# KiCad board v10.kicad_pcb (continued)
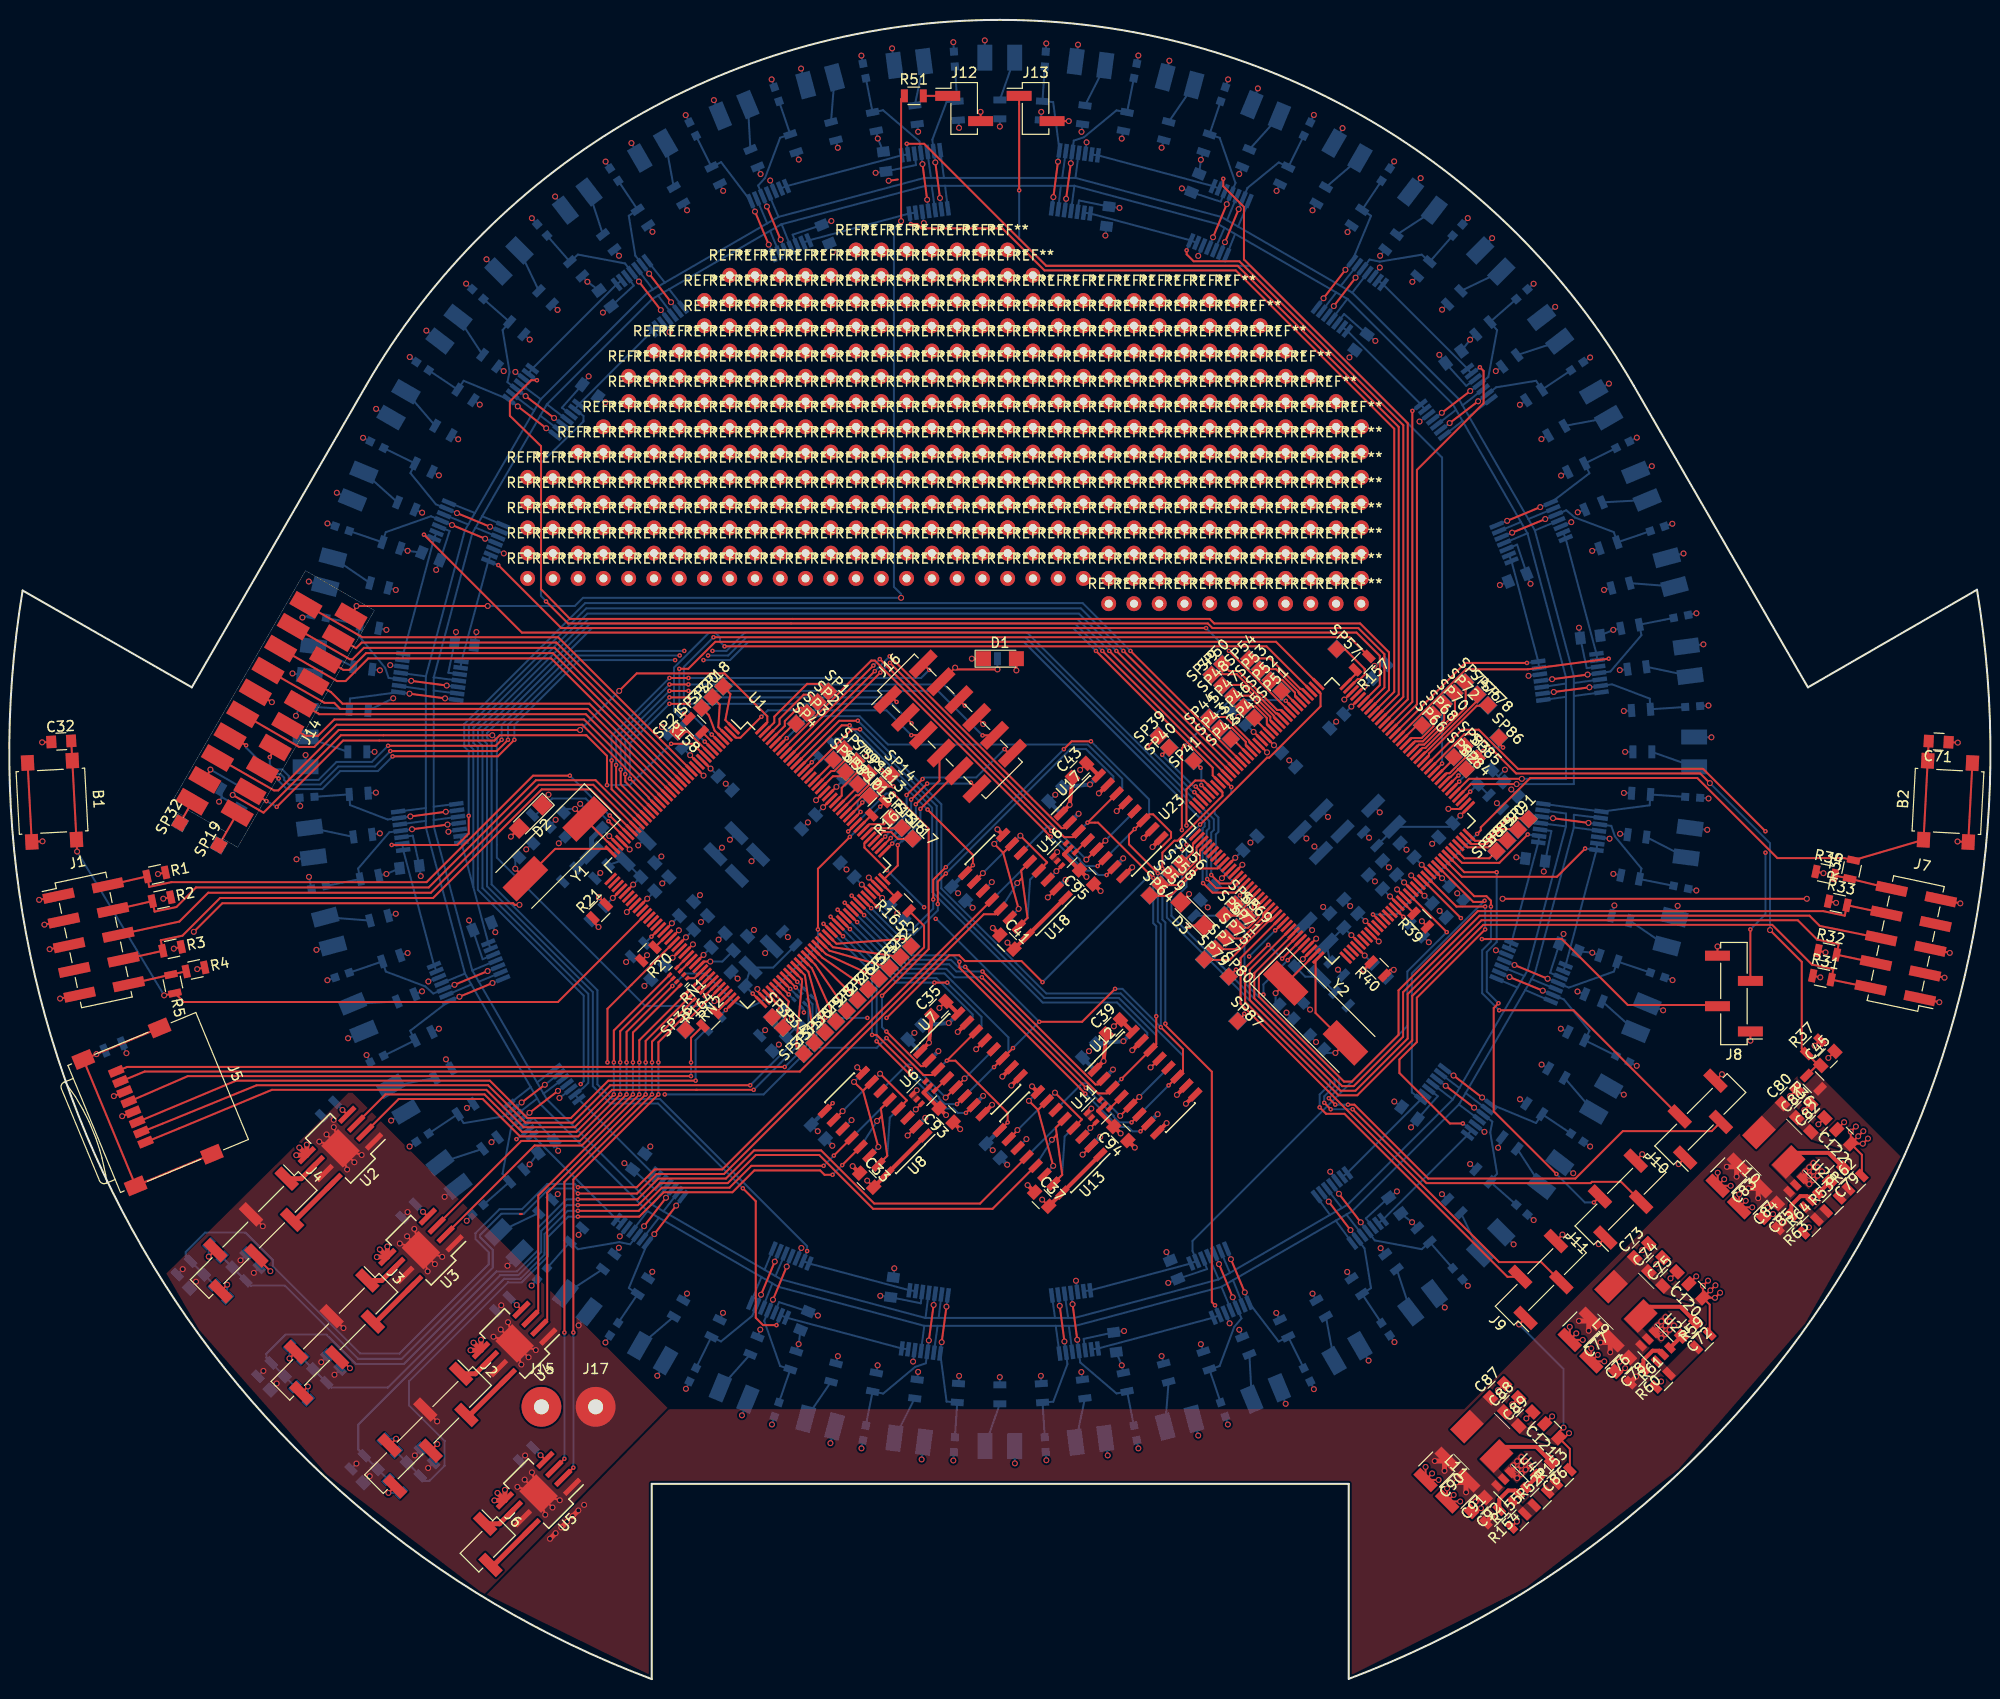
[diagram p0: board, top side]
## Routing (per net, layer and track width the routed paths; a pad name or vN(x,y) marks a point on that pad's centre or on a via; arc(x,y) is an arc through that point) (continued)
  Bottom w0.2: v2(60.36,86.83) v2(56.35,90.84)
/Motor Controller/LED1: length 11.6
  Top w0.2: U1.32 v2(60.23,86.26)
  Bottom w0.2: v2(60.23,86.26) 57.95,88.54 54.56,88.54 52.91,86.88 R30.2 52.6,86.88
/Motor Controller/PWM0H: length 1.6
  Top w0.2: RN1.3 U1.60
/Motor Controller/PWM0L: length 1.6
  Top w0.2: RN1.4 U1.59
/Motor Controller/PWM1H: length 1.8
  Top w0.2: RN1.1 68.86,70.47 U1.63
/Motor Controller/PWM1L: length 1.7
  Top w0.2: U1.116 R167.2
/Motor Controller/PWM2H: length 1.6
  Top w0.2: RN2.3 U1.65
/Motor Controller/PWM2L: length 1.6
  Top w0.2: RN2.4 U1.64
/Motor Controller/PWM3H: length 1.6
  Top w0.2: RN2.1 U1.67
/Motor Controller/PWM3L: length 1.6
  Top w0.2: RN2.2 U1.66
/Motor Controller/RESET: length 80.5
  Top w0.2: C32.2 B1.1 B1.1 v1(6.81,83.21) ; v1(15.56,68.75) R5.2 17.54,68.08 55.15,68.08 63.99,76.91 U1.47
  Bottom w0.2: v1(6.81,83.21) v1(15.56,68.75)
/RPi1: length 38.3
  Top w0.2: v2(61.92,90.99) 61.92,90.23 64.7,87.45 U1.24 ; v2(89.2,98.25) 88.95,98.5 J16.1 ; v2(68.27,98.71) v2(66.36,98.71)
  Bottom w0.2: v2(66.36,98.71) 61.92,94.27 v2(61.92,90.99) ; v2(68.27,98.71) 88.74,98.71 v2(89.2,98.25)
/RPi2: length 45.3
  Top w0.2: v2(60.54,92.37) 60.54,89.48 63.63,86.39 U1.27 63.64,86.39 ; v2(92.47,101.47) 91.87,102.07 J16.2 ; v2(68.27,100.66) v2(66.36,100.66)
  Bottom w0.2: v2(66.36,100.66) 60.54,94.84 v2(60.54,92.37) ; v2(68.27,100.66) 91.66,100.66 v2(92.47,101.47)
/RPi3: length 22.1
  Top w0.2: v2(75.6,96.76) 73.49,94.65 73.06,94.65 72.48,95.23 U1.2 ; v2(90.68,94.91) 90.68,94.91 J16.5 92.14,94.91
  Bottom w0.2: v2(75.6,96.76) 76.25,97.41 88.18,97.41 v2(90.68,94.91)
/RPi4: length 48.2
  Top w0.2: v2(61,91.91) 61,89.73 63.99,86.74 U1.26 ; v2(96.06,97.88) 95.46,98.48 J16.6 ; v2(68.27,100.01) v2(66.36,100.01)
  Bottom w0.2: v2(66.36,100.01) 61,94.65 v2(61,91.91) ; v2(68.27,100.01) 93.93,100.01 v2(96.06,97.88)
/RPi5: length 50
  Top w0.2: v2(61.46,91.45) 61.46,89.98 64.34,87.1 U1.25 ; v2(97.84,94.89) 97.84,94.89 J16.10 ; v2(68.27,99.36) v2(66.36,99.36)
  Bottom w0.2: v2(66.36,99.36) 61.46,94.46 v2(61.46,91.45) ; v2(68.27,99.36) 93.36,99.36 97.83,94.89 v2(97.84,94.89)
/RPi6: length 39
  Top w0.2: v2(62.38,90.54) 64.28,88.64 64.28,88.57 65.05,87.8 U1.23 ; v2(90.7,96.1) 90.09,96.71 J16.3 ; v2(68.27,98.06) v2(66.36,98.06)
  Bottom w0.2: v2(66.36,98.06) 62.38,94.08 v2(62.38,90.54) ; v2(68.27,98.06) 88.74,98.06 v2(90.7,96.1)
/S_LED1: length 121.3
  Top w0.2: J14.13 v2(26.18,92.7) ; v2(49.49,94.44) 48.89,93.84 v2(38.07,93.84) ; v2(120.83,80.85) 121.68,80 122.79,80 123.46,80.67 U23.13
  In1.Cu w0.2: v2(67.85,103.38) v2(70.69,103.38)
  Bottom w0.2: v2(120.83,80.85) 120.83,85.12 121.09,85.38 121.09,86.46 102.33,105.22 73.93,105.22 72.09,103.38 v2(70.69,103.38) ; v2(38.07,93.84) 36.45,92.22 32.89,92.22 31.08,90.41 28.26,90.41 28.09,90.58 28.09,90.81 27.43,91.47 26.63,91.47 26.18,91.92 v2(26.18,92.7) ; v2(67.85,103.38) 56.93,103.38 49.49,95.94 v2(49.49,94.44)
/S_LED2: length 125.3
  Top w0.2: v2(120.42,80.44) 121.32,79.54 123.04,79.54 123.82,80.31 U23.14 ; J14.14 v2(23.8,93.89) ; v2(50.13,94.44) 49,93.31 v2(38.3,93.31)
  In1.Cu w0.2: v2(67.39,102.92) v2(70.24,102.92)
  Bottom w0.2: v2(38.3,93.31) 36.75,91.76 33.07,91.76 31.26,89.95 28.08,89.95 27.63,90.4 27.63,90.63 27.25,91.01 26.45,91.01 23.8,93.66 v2(23.8,93.89) ; v2(120.42,80.44) 120.37,80.49 120.37,85.3 120.63,85.56 120.63,86.28 102.15,104.76 74.11,104.76 72.27,102.92 v2(70.24,102.92) ; v2(67.39,102.92) 57.11,102.92 50.13,95.94 v2(50.13,94.44)
/S_LED3: length 121.2
  Top w0.2: v2(120.01,80.03) 120.96,79.08 123.28,79.08 124.17,79.96 U23.15 ; J14.15 v2(27.07,90.55) ; v2(50.77,94.44) 49.11,92.78 v2(38.53,92.78)
  In1.Cu w0.2: v2(66.93,102.46) v2(69.78,102.46)
  Bottom w0.2: v2(38.53,92.78) 37.05,91.3 33.26,91.3 31.45,89.49 27.9,89.49 27.07,90.32 v2(27.07,90.55) ; v2(50.77,94.44) 50.77,95.94 57.29,102.46 v2(66.93,102.46) ; v2(69.78,102.46) 72.45,102.46 74.29,104.3 101.97,104.3 120.17,86.1 120.17,85.74 119.96,85.53 119.96,80.08 v2(120.01,80.03)
/Sensor Controller/1BLACK: length 105.6
  Top w0.2: U23.99 137.54,96.86 139.68,99.01 139.68,125.9 123.48,142.1 104.24,142.1 91.97,154.37 v2(90.22,154.37)
  Bottom w0.2: U25.13 U25.14 U24.1 U24.2 v2(90.22,154.37)
/Sensor Controller/1WHITE: length 99.3
  Top w0.2: U23.100 139.23,99.27 139.23,125.71 123.3,141.64 104.06,141.64 99.83,145.87 91.71,145.87 91.29,146.29 v2(90.63,146.29)
  Bottom w0.2: U24.13 U24.14 ; U24.14 U25.1 U25.2 ; U24.14 v2(90.63,146.29)
/Sensor Controller/2BLACK: length 132.5
  Top w0.2: v2(53.04,130.6) 52.46,130.6 50.32,128.46 50.32,127.02 53.45,123.97 53.45,109.59 56.36,106.6 120.67,106.6 121.13,106.14 135.8,106.14 138.7,103.24 138.7,99.45 136.83,97.57 U23.101
  Bottom w0.2: U21.2 U21.1 U22.14 U22.13 v2(53.04,130.6)
/Sensor Controller/2WHITE: length 125.8
  Top w0.2: v2(53.95,108.36) 56.17,106.14 120.49,106.14 120.95,105.68 135.62,105.68 138.24,103.06 138.24,99.7 136.47,97.93 U23.102
  Bottom w0.2: U21.13 U21.14 U22.1 U22.2 57.72,127.01 57.72,126.46 53.44,122.26 53.44,108.93 v2(53.95,108.36)
/Sensor Controller/3BLACK: length 120.8
  Top w0.2: v2(41.68,115.07) 51.53,105.22 135.44,105.22 137.78,102.88 137.78,99.94 136.12,98.28 U23.103
  Bottom w0.2: U26.2 U26.1 ; U26.1 U29.14 U29.13 ; U26.1 v2(41.68,115.07)
/Sensor Controller/3WHITE: length 98.6
  Top w0.2: v2(122.61,103.38) 128.77,97.22 U23.117 ; v2(49.15,112.01) 55.48,105.68 v2(120.31,105.68)
  Bottom w0.2: U26.13 U26.14 ; U26.14 U29.1 U29.2 ; U26.14 v2(49.15,112.01) ; v2(122.61,103.38) v2(120.31,105.68)
/Sensor Controller/4BLACK: length 123.5
  Top w0.2: v2(112.71,103.38) 123.82,92.27 U23.131 ; v2(46.18,86.8) 46.18,85.01 45.04,83.87 v2(38.44,83.87)
  Bottom w0.2: U31.13 U31.14 U30.1 U30.2 v2(38.44,83.87) ; v2(46.18,86.8) 46.18,93.31 45.73,93.76 45.73,96.03 57.89,108.19 107.9,108.19 v2(112.71,103.38)
/Sensor Controller/4WHITE: length 116.8
  Top w0.2: v2(112,103.38) 123.46,91.92 U23.132
  Bottom w0.2: U30.13 U30.14 46.64,79.65 ; U31.2 U31.1 46.64,79.65 ; 46.64,79.65 46.64,93.49 46.19,93.94 46.19,95.85 58,107.66 107.72,107.66 v2(112,103.38)
/Sensor Controller/5BLACK: length 151.6
  Top w0.2: v2(111.29,103.38) U23.133
  In2.Cu w0.2: v2(50.98,54.29) 56.12,58.24 v2(57.44,59.83)
  Bottom w0.2: U33.13 U33.14 U32.1 U32.2 v2(50.98,54.29) ; v2(111.29,103.38) 107.54,107.13 58.11,107.13 46.65,95.67 46.65,94.13 47.1,93.68 47.1,79.36 57.74,68.72 57.74,60.13 v2(57.44,59.83)
/Sensor Controller/5WHITE: length 140.3
  Top w0.2: v2(110.58,103.38) 122.75,91.21 U23.134
  Bottom w0.2: U33.2 U33.1 U32.14 U32.13 57.71,59.46 58.2,59.95 58.2,68.9 47.56,79.54 47.56,93.86 47.11,94.31 47.11,95.49 58.22,106.6 107.36,106.6 v2(110.58,103.38)
/Sensor Controller/6BLACK: length 175.6
  Top w0.2: v2(109.88,103.38) 122.4,90.86 U23.135 ; v2(73.74,49.35) 75.04,48.05 75.04,36.33 75.78,35.59 v2(77.12,35.59)
  Bottom w0.2: U35.13 U35.14 U34.1 U34.2 v2(77.12,35.59) ; v2(73.74,49.35) 65.22,57.87 60.41,57.87 58.66,59.62 58.66,69.08 48.02,79.72 48.02,94.04 47.57,94.49 47.57,95.31 58.4,106.14 107.12,106.14 v2(109.88,103.38)
/Sensor Controller/6WHITE: length 166
  Top w0.2: v2(109.24,103.38) 120.98,91.64 120.98,90.86 121.69,90.15 U23.137
  Bottom w0.2: U35.2 U35.1 U34.14 U34.13 v2(80.2,43.04) 80.2,43.53 65.4,58.33 60.59,58.33 59.12,59.8 59.12,69.26 48.48,79.9 48.48,94.22 48.02,94.68 48.02,95.12 58.58,105.68 106.94,105.68 v2(109.24,103.38)
/Sensor Controller/7BLACK: length 71.6
  Top w0.2: 116.22,65.74 120.89,61.07 120.89,37.91 v2(121.21,37.59) ; U23.138 121.96,89.17 121.96,88.81 117.45,84.3 117.12,84.3 115.92,83.1 v2(115.92,81.49)
  Bottom w0.2: U36.2 U36.1 U37.14 U37.13 v2(121.21,37.59) ; v2(115.92,81.49) 115.92,76.38 116.22,76.08 v2(116.22,65.9)
/Sensor Controller/7WHITE: length 60.9
  Top w0.2: v2(144.51,75.11) 140.72,78.9 U23.55
  Bottom w0.2: U36.13 U36.14 U37.1 U37.2 118.95,43.04 118.95,44.06 140.55,65.66 140.55,71.15 v2(144.51,75.11)
/Sensor Controller/8BLACK: length 50.3
  Top w0.2: v2(148.37,75.38) 141.5,68.51 141.5,64.05 139.75,62.3 139.75,60.94 144.82,55.87 v2(146.13,55.87) ; v2(148.37,77.68) 145.48,77.68 142.49,80.67 U23.60
  Bottom w0.2: U38.2 U38.1 U39.14 U39.13 v2(146.13,55.87) ; v2(148.37,77.68) v2(148.37,75.38)
/Sensor Controller/8WHITE: length 41.5
  Top w0.2: v2(148.31,78.26) 148.19,78.14 147.18,78.14 143.59,81.73 U23.63
  Bottom w0.2: U38.13 U38.14 U39.1 ; U39.1 U39.2 ; U39.1 141,58.99 141,70.95 v2(148.31,78.26)
/Sensor Controller/9BLACK: length 30.5
  Top w0.2: U23.65 146.02,80.67 155.58,80.67 v2(158.42,83.51)
  Bottom w0.2: U40.2 U40.1 U41.14 ; U41.14 U41.13 ; U41.14 v2(158.42,83.51)
/Sensor Controller/9WHITE: length 22.2
  Top w0.2: v2(152.65,84.93) 149.79,82.07 146.04,82.07 144.96,83.15 U23.67
  Bottom w0.2: U40.13 U40.14 U41.1 U41.2 v2(152.65,84.93)
/Sensor Controller/10BLACK: length 38.5
  Top w0.2: v2(160.79,102.6) 152.65,101.53 146.44,101.53 U23.93
  Bottom w0.2: U43.13 U43.14 U42.1 U42.2 v2(160.79,102.6)
/Sensor Controller/10WHITE: length 29.1
  Top w0.2: U23.94 146.37,102.17 v2(152.57,102.17)
  Bottom w0.2: U42.13 U42.14 ; U42.14 U43.1 U43.2 ; U42.14 v2(152.57,102.17)
/Sensor Controller/11BLACK: length 54.8
  Top w0.2: U23.95 141.51,98.01 141.51,121.58 148.21,128.28 148.21,131.53 v2(147.84,131.9)
  Bottom w0.2: U45.13 U45.14 U44.1 U44.2 v2(147.84,131.9)
/Sensor Controller/11WHITE: length 45.6
  Top w0.2: U23.96 141.05,98.26 v2(141.05,127.51)
  Bottom w0.2: U44.14 U44.13 ; U44.14 U45.1 U45.2 ; U44.14 v2(141.05,127.51)
/Sensor Controller/12BLACK: length 77.7
  Top w0.2: v2(122.04,150.85) 122.04,150.1 124.12,148.02 124.12,142.74 140.59,126.27 140.59,98.51 138.24,96.16 U23.97
  Bottom w0.2: U47.13 U47.14 U46.1 U46.2 v2(122.04,150.85)
/Sensor Controller/12WHITE: length 72.6
  Top w0.2: U23.98 137.89,96.51 140.14,98.76 140.14,126.08 123.66,142.56 119.06,142.56 118.36,143.26 v2(118.36,143.66)
  Bottom w0.2: U46.13 U46.14 ; U46.14 U47.1 U47.2 ; U46.14 v2(118.36,143.66)
/Sensor Controller/Echo1: length 55.4
  Top w0.2: v2(176.55,85.25) 170.28,91.52 151.67,91.52 147.73,95.46 146.03,95.46 U23.85 142.49,91.91 ; v2(175.03,75.38) 175.04,75.37 J8.3
  In2.Cu w0.2: v2(176.55,85.25) v2(176.55,83.1)
  Bottom w0.2: v2(176.55,83.1) 176.55,76.9 v2(175.03,75.38)
/Sensor Controller/Echo2: length 84.1
  Top w0.2: U23.136 v2(122.85,89.7) ; J10.3 171.14,55.1 162.21,55.1 157.44,50.33 142.65,50.33 135.22,57.76 v2(134.58,57.76) ; v2(133.3,57.76) v2(132.65,58.41)
  Bottom w0.2: v2(132.65,58.41) 133.69,59.44 133.69,60.51 124.18,70.02 124.18,79.01 121.29,81.9 121.29,84.93 121.55,85.19 121.55,86.64 121.18,87.01 121.18,87.39 122.85,89.06 v2(122.85,89.7) ; v2(134.58,57.76) v2(133.3,57.76)
/Sensor Controller/Echo3: length 78.9
  Top w0.2: J11.3 162.04,50 159.1,50 158.97,49.87 142.47,49.87 v2(135.04,57.3) ; v2(118.34,85.83) 118.34,89.47 119.22,90.35 120.08,90.35 120.99,89.44 U23.139 ; v2(132.84,57.3) v2(132.19,57.95)
  In2.Cu w0.2: v2(118.34,83.9) v2(118.34,85.83)
  Bottom w0.2: v2(132.19,57.95) 132.19,58.59 133.23,59.63 133.23,60.35 116.83,76.75 116.83,78.16 118.34,79.67 v2(118.34,83.9) ; v2(135.04,57.3) v2(132.84,57.3)
/Sensor Controller/Echo4: length 54
  Top w0.2: J9.3 154.01,41.93 149.77,41.93 123.78,67.92 123.78,72.51 127.7,76.43 U23.25
/Sensor Controller/JTAG_Test_Clock: length 87.5
  Top w0.2: J7.4 R32.2 183.91,73.9 181.74,74.36 179.8,76.3 148,76.3 140.58,68.88 140.58,64.41 135.33,59.16 133.82,59.16 124.7,68.28 124.7,71.31 128.76,75.37 U23.28
/Sensor Controller/JTAG_Test_Data_In: length 85
  Top w0.2: J7.8 R33.2 184.52,76.76 182.35,77.22 147.63,77.22 139.66,69.25 139.66,64.77 134.97,60.08 134.18,60.08 125.62,68.64 125.62,70.81 U23.30
/Sensor Controller/JTAG_Test_Data_Out: length 85.2
  Top w0.2: J7.6 182.01,75.73 180.98,76.76 147.81,76.76 140.12,69.07 140.12,64.59 135.15,59.62 134,59.62 125.16,68.46 125.16,70.99 129.12,74.95 U23.29
/Sensor Controller/JTAG_Test_Mode_Select: length 90.9
  Top w0.2: J7.2 R31.2 183.38,71.39 181.22,71.85 177.23,75.84 148.19,75.84 141.04,68.69 141.04,64.23 135.51,58.7 133.64,58.7 124.24,68.1 124.24,71.5 v2(126.57,73.83) ; v2(127.96,72.44) 129.83,74.3 U23.31
  Bottom w0.2: v2(127.96,72.44) v2(126.57,73.83)
/Sensor Controller/LBR: length 98
  Top w0.2: U23.83 v2(144.04,92.06) ; v2(101.52,149.69) 101.52,158.33 101.52,158.33 J13.1
  Bottom w0.2: v2(101.52,149.69) 101.52,144.82 104.24,142.1 124.76,142.1 144.04,122.82 v2(144.04,92.06)
/Sensor Controller/LED2: length 6.6
  Top w0.2: v2(123.72,78.81) U23.16
  Bottom w0.2: v2(123.72,78.81) 121.67,76.76 R42.2
/Sensor Controller/Linesensor 1/Photo1: length 15.7
  Top w0.2: v1(93.09,152.5) v1(93.56,148.92)
  Bottom w0.2: Q1.2 R45.1 94.22,158.56 92.79,154.78 U24.6 v1(93.09,152.5) ; v1(93.56,148.92) U24.9
/Sensor Controller/Linesensor 1/Photo2: length 16.4
  Top w0.2: v1(91.8,152.33) v1(92.27,148.75)
  Bottom w0.2: Q2.2 R46.1 87.84,157.74 91.5,154.61 U24.4 v1(91.8,152.33) ; v1(92.27,148.75) U24.11
/Sensor Controller/Linesensor 1/Photo3: length 17
  Top w0.2: v1(76.16,148.06) v1(77.54,144.73)
  Bottom w0.2: Q3.2 R47.1 77.49,154.98 75.97,150.93 75.28,150.18 U25.10 v1(76.16,148.06) ; v1(77.54,144.73) U25.5
/Sensor Controller/Linesensor 1/Photo4: length 15.4
  Top w0.2: v1(74.96,147.56) v1(76.34,144.23)
  Bottom w0.2: Q4.2 R48.1 71.56,152.52 U25.8 v1(74.96,147.56) ; v1(76.34,144.23) U25.7
/Sensor Controller/Linesensor 2/Photo1: length 15.7
  Top w0.2: v1(66.52,138.44) v1(64.32,141.31)
  Bottom w0.2: Q5.2 R65.1 62.27,147.13 62.93,143.12 U21.6 v1(64.32,141.31) ; v1(66.52,138.44) U21.9
/Sensor Controller/Linesensor 2/Photo2: length 16.4
  Top w0.2: v1(63.29,140.52) v1(65.49,137.65)
  Bottom w0.2: Q6.2 R66.1 57.16,143.23 61.9,142.34 U21.4 v1(63.29,140.52) ; v1(65.49,137.65) U21.11
/Sensor Controller/Linesensor 2/Photo3: length 17
  Top w0.2: v1(51.9,129) v1(54.76,126.8)
  Bottom w0.2: Q7.2 R67.1 49.59,135.64 50.29,131.43 50.07,130.4 U22.10 v1(51.9,129) ; v1(54.76,126.8) U22.5
/Sensor Controller/Linesensor 2/Photo4: length 15.4
  Top w0.2: v1(51.11,127.97) v1(53.97,125.77)
  Bottom w0.2: Q8.2 R68.1 45.67,130.54 U22.8 v1(51.11,127.97) ; v1(53.97,125.77) U22.7
/Sensor Controller/Linesensor 3/Photo1: length 15.7
  Top w0.2: v1(45,117.24) v1(48.33,115.86)
  Bottom w0.2: Q9.2 R71.1 40.32,121.26 42.88,118.12 U26.6 v1(45,117.24) ; v1(48.33,115.86) U26.9
/Sensor Controller/Linesensor 3/Photo2: length 16.5
  Top w0.2: v1(44.5,116.04) v1(47.83,114.66)
  Bottom w0.2: Q10.2 R72.1 37.84,115.32 42.38,116.92 U26.4 v1(44.5,116.04) ; U26.11 v1(47.83,114.66)
/Sensor Controller/Linesensor 3/Photo3: length 17
  Top w0.2: v1(40.4,100.37) v1(43.97,99.9)
  Bottom w0.2: Q11.2 R73.1 35.07,104.97 37.78,101.68 38.12,100.67 U29.10 v1(40.4,100.37) ; v1(43.97,99.9) U29.5
/Sensor Controller/Linesensor 3/Photo4: length 15.4
  Top w0.2: v1(40.23,99.08) v1(43.8,98.61)
  Bottom w0.2: Q12.2 R74.1 34.25,98.59 U29.8 v1(40.23,99.08) ; v1(43.8,98.61) U29.7
/Sensor Controller/Linesensor 4/Photo1: length 15.7
  Top w0.2: v1(40.31,86.74) v1(43.88,87.21)
  Bottom w0.2: Q13.2 R77.1 34.25,87.88 38.03,86.43 U30.6 v1(40.31,86.74) ; v1(43.88,87.21) U30.9
/Sensor Controller/Linesensor 4/Photo2: length 16.4
  Top w0.2: v1(40.48,85.45) v1(44.05,85.92)
  Bottom w0.2: Q14.2 R78.1 35.06,81.5 38.2,85.15 U30.4 v1(40.48,85.45) ; v1(44.05,85.92) U30.11
/Sensor Controller/Linesensor 4/Photo3: length 17
  Top w0.2: v1(44.75,69.81) v1(48.08,71.19)
  Bottom w0.2: Q15.2 R79.1 37.85,71.14 41.81,69.65 42.62,68.93 U31.10 v1(44.75,69.81) ; v1(48.08,71.19) U31.5
/Sensor Controller/Linesensor 4/Photo4: length 15.4
  Top w0.2: v1(45.25,68.61) v1(48.57,69.99)
  Bottom w0.2: Q16.2 R80.1 40.3,65.19 U31.8 v1(45.25,68.61) ; v1(48.57,69.99) U31.7
/Sensor Controller/Linesensor 5/Photo1: length 15.7
  Top w0.2: v1(51.5,57.98) v1(53.83,59.76)
  Bottom w0.2: Q17.2 R83.1 45.68,55.9 49.68,56.58 U32.6 v1(51.5,57.98) ; v1(53.83,59.76) U32.9
/Sensor Controller/Linesensor 5/Photo2: length 16.4
  Top w0.2: v1(52.29,56.94) v1(55.15,59.14)
  Bottom w0.2: Q18.2 R84.1 49.58,50.81 50.46,55.54 U32.4 v1(52.29,56.94) ; v1(55.15,59.14) U32.11
/Sensor Controller/Linesensor 5/Photo3: length 17
  Top w0.2: v1(63.81,45.54) v1(66.01,48.4)
  Bottom w0.2: Q19.2 R85.1 57.16,43.23 61.32,43.94 62.41,43.72 U33.10 v1(63.81,45.54) ; U33.5 v1(66.01,48.4)
/Sensor Controller/Linesensor 5/Photo4: length 15.4
  Top w0.2: v1(67.04,47.61) v1(64.84,44.74)
  Bottom w0.2: Q20.2 R86.1 62.28,39.32 U33.8 v1(64.84,44.74) ; U33.7 v1(67.04,47.61)
/Sensor Controller/Linesensor 6/Photo1: length 15.7
  Top w0.2: v1(76.95,41.98) v1(75.57,38.65)
  Bottom w0.2: Q21.2 R89.1 71.55,33.95 74.68,36.52 U34.6 v1(75.57,38.65) ; U34.9 v1(76.95,41.98)
/Sensor Controller/Linesensor 6/Photo2: length 16.5
  Top w0.2: v1(76.77,38.15) v1(78.15,41.48)
  Bottom w0.2: Q22.2 R90.1 77.49,31.48 75.89,36.02 U34.4 v1(76.77,38.15) ; U34.11 v1(78.15,41.48)
/Sensor Controller/Linesensor 6/Photo3: length 17
  Top w0.2: v1(92.44,34.05) v1(92.92,37.62)
  Bottom w0.2: Q23.2 R91.1 87.85,28.71 91.06,31.39 92.14,31.76 U35.10 v1(92.44,34.05) ; v1(92.92,37.62) U35.5
/Sensor Controller/Linesensor 6/Photo4: length 15.4
  Top w0.2: v1(94.21,37.45) v1(93.73,33.88)
  Bottom w0.2: Q24.2 R92.1 94.22,27.9 U35.8 v1(93.73,33.88) ; v1(94.21,37.45) U35.7
/Sensor Controller/Linesensor 7/Photo1: length 15.7
  Top w0.2: v1(105.6,37.53) v1(106.07,33.95)
  Bottom w0.2: Q25.2 R95.1 104.95,27.89 106.37,31.67 U36.6 v1(106.07,33.95) ; U36.9 v1(105.6,37.53)
/Sensor Controller/Linesensor 7/Photo2: length 16.4
  Top w0.2: v1(106.89,37.7) v1(107.36,34.12)
  Bottom w0.2: Q26.2 R96.1 111.31,28.72 107.66,31.84 U36.4 v1(107.36,34.12) ; U36.11 v1(106.89,37.7)
/Sensor Controller/Linesensor 7/Photo3: length 17
  Top w0.2: v1(121.61,41.73) v1(122.99,38.39)
  Bottom w0.2: Q27.2 R97.1 121.67,31.48 123.14,35.41 123.87,36.27 U37.10 v1(122.99,38.39) ; U37.5 v1(121.61,41.73)
/Sensor Controller/Linesensor 7/Photo4: length 15.4
  Top w0.2: v1(124.2,38.89) v1(122.81,42.22)
  Bottom w0.2: Q28.2 R98.1 127.61,33.94 U37.8 v1(124.2,38.89) ; U37.7 v1(122.81,42.22)
/Sensor Controller/Linesensor 8/Photo1: length 15.7
  Top w0.2: v1(132.64,48.01) v1(134.83,45.15)
  Bottom w0.2: Q29.2 R101.1 136.89,39.32 136.24,43.31 U38.6 v1(134.83,45.15) ; U38.9 v1(132.64,48.01)
/Sensor Controller/Linesensor 8/Photo2: length 16.4
  Top w0.2: v1(133.67,48.8) v1(135.86,45.93)
  Bottom w0.2: Q30.2 R102.1 141.99,43.23 137.27,44.11 U38.4 v1(135.86,45.93) ; U38.11 v1(133.67,48.8)
/Sensor Controller/Linesensor 8/Photo3: length 16.9
  Top w0.2: v1(144.4,59.65) v1(147.26,57.46)
  Bottom w0.2: Q31.2 R103.1 149.57,50.82 148.88,54.97 149.09,56.05 U39.10 v1(147.26,57.46) ; U39.5 v1(144.4,59.65)
/Sensor Controller/Linesensor 8/Photo4: length 15.4
  Top w0.2: v1(148.06,58.48) v1(145.19,60.69)
  Bottom w0.2: Q32.2 R104.1 153.49,55.91 U39.8 v1(148.06,58.48) ; U39.7 v1(145.19,60.69)
/Sensor Controller/Linesensor 9/Photo1: length 15.7
  Top w0.2: v1(150.82,70.59) v1(154.16,69.22)
  Bottom w0.2: Q33.2 R107.1 158.86,65.19 156.29,68.33 U40.6 v1(154.16,69.22) ; U40.9 v1(150.82,70.59)
/Sensor Controller/Linesensor 9/Photo2: length 16.4
  Top w0.2: v1(154.65,70.42) v1(151.32,71.8)
  Bottom w0.2: Q34.2 R108.1 161.31,71.14 156.78,69.53 U40.4 v1(154.65,70.42) ; U40.11 v1(151.32,71.8)
/Sensor Controller/Linesensor 9/Photo3: length 16.9
  Top w0.2: v1(155.19,86.56) v1(158.76,86.09)
  Bottom w0.2: Q35.2 R109.1 164.08,81.5 161.41,84.74 161.05,85.79 U41.10 v1(158.76,86.09) ; U41.5 v1(155.19,86.56)
/Sensor Controller/Linesensor 9/Photo4: length 15.4
  Bottom w0.2: Q36.2 R110.1 164.91,87.86 U41.8 U41.7
/Sensor Controller/Linesensor 10/Photo1: length 15.7
  Top w0.2: v1(155.27,99.25) v1(158.85,99.72)
  Bottom w0.2: Q37.2 R113.1 164.92,98.59 161.13,100.02 U42.6 v1(158.85,99.72) ; U42.9 v1(155.27,99.25)
/Sensor Controller/Linesensor 10/Photo2: length 16.4
  Top w0.2: v1(155.1,100.54) v1(158.67,101)
  Bottom w0.2: Q38.2 R114.1 164.08,104.96 160.96,101.31 U42.4 v1(158.67,101) ; U42.11 v1(155.1,100.54)
/Sensor Controller/Linesensor 10/Photo3: length 16.9
  Top w0.2: v1(151.08,115.27) v1(154.41,116.64)
  Bottom w0.2: Q39.2 R115.1 161.31,115.32 157.38,116.8 156.53,117.52 U43.10 v1(154.41,116.64) ; U43.5 v1(151.08,115.27)
/Sensor Controller/Linesensor 10/Photo4: length 15.4
  Top w0.2: v1(153.91,117.84) v1(150.58,116.46)
  Bottom w0.2: Q40.2 R116.1 158.85,121.24 U43.8 v1(153.91,117.84) ; U43.7 v1(150.58,116.46)
/Sensor Controller/Linesensor 11/Photo1: length 15.7
  Top w0.2: v1(144.8,126.29) v1(147.66,128.48)
  Bottom w0.2: Q41.2 R119.1 153.49,130.54 149.48,129.89 U44.6 v1(147.66,128.48) ; U44.9 v1(144.8,126.29)
/Sensor Controller/Linesensor 11/Photo2: length 16.4
  Top w0.2: v1(146.87,129.51) v1(144.01,127.32)
  Bottom w0.2: Q42.2 R120.1 149.57,135.63 148.69,130.92 U44.4 v1(146.87,129.51) ; U44.11 v1(144.01,127.32)
/Sensor Controller/Linesensor 11/Photo3: length 16.9
  Top w0.2: v1(135.34,140.91) v1(133.15,138.05)
  Bottom w0.2: Q43.2 R121.1 141.99,143.22 137.78,142.52 136.75,142.73 U45.10 v1(135.34,140.91) ; v1(133.15,138.05) U45.5
/Sensor Controller/Linesensor 11/Photo4: length 15.4
  Top w0.2: v1(132.12,138.84) v1(134.32,141.7)
  Bottom w0.2: Q44.2 R122.1 136.9,147.13 U45.8 v1(134.32,141.7) ; v1(132.12,138.84) U45.7
/Sensor Controller/Linesensor 12/Photo1: length 15.7
  Top w0.2: v1(122.21,144.48) v1(123.59,147.8)
  Bottom w0.2: Q45.2 R125.1 127.62,152.49 124.48,149.93 U46.6 v1(123.59,147.8) ; v1(122.21,144.48) U46.9
/Sensor Controller/Linesensor 12/Photo2: length 16.4
  Top w0.2: v1(122.39,148.3) v1(121.01,144.97)
  Bottom w0.2: Q46.2 R126.1 121.68,154.97 123.27,150.43 U46.4 v1(122.39,148.3) ; v1(121.01,144.97) U46.11
/Sensor Controller/Linesensor 12/Photo3: length 17
  Top w0.2: v1(106.71,152.41) v1(106.24,148.84)
  Bottom w0.2: Q47.2 R127.1 111.31,157.73 108.03,155.03 107.01,154.69 U47.10 v1(106.71,152.41) ; v1(106.24,148.84) U47.5
/Sensor Controller/Linesensor 12/Photo4: length 15.4
  Top w0.2: v1(105.42,152.57) v1(104.96,149.01)
  Bottom w0.2: Q48.2 R128.1 104.94,158.57 U47.8 v1(105.42,152.57) ; v1(104.96,149.01) U47.7
/Sensor Controller/RESET: length 75.9
  Top w0.2: C71.2 B2.1 B2.1 R35.2 184.43,82.55 177.75,82.55 169.7,90.6 152.89,90.6 147.93,85.64 147.93,85.35 v2(147.56,84.98) ; v2(137.09,76.88) 137.89,76.08 U23.47
  Bottom w0.2: v2(147.56,84.98) 139.46,76.88 v2(137.09,76.88)
/Sensor Controller/Trig1: length 34.8
  Top w0.2: U23.59 v2(145.93,76.52) ; 171.73,67.66 171.61,67.78 162.71,67.78 156.08,74.41 v2(148.04,74.41)
  In2.Cu w0.2: v2(148.04,74.41) v2(145.93,76.52)
/Sensor Controller/Trig2: length 41.3
  Top w0.2: v2(148.95,77.68) 148.95,78.27 148.5,78.72 147.27,78.72 143.9,82.09 U23.64 ; J10.2 157.26,67.25 v2(149.78,67.25)
  Bottom w0.2: v2(149.78,67.25) 148.07,68.96 148.07,73.29 148.95,74.17 v2(148.95,77.68)
/Sensor Controller/Trig3: length 45.5
  Top w0.2: v2(149.53,81.13) 146.27,81.13 144.61,82.79 U23.66 ; v2(149.71,67.96) 149.23,67.48 149.23,57.09 v2(155.53,50.79) ; v2(159.3,47.93) 159.9,48.53 J11.2
  Bottom w0.2: v2(149.71,67.96) 148.53,69.14 148.53,73.11 149.53,74.11 v2(149.53,81.13) ; v2(155.53,50.79) 158.39,47.93 v2(159.3,47.93)
/Sensor Controller/Trig4: length 84.8
  Top w0.2: v2(128.32,98.37) 129.12,97.57 U23.116 ; v2(131.73,57.49) 132.38,56.84 134.22,56.84 150.61,40.45 J9.2 ; v2(118.13,93.85) 117.88,93.6 v2(117.88,85.37)
  In2.Cu w0.2: v2(117.88,83.44) v2(117.88,85.37)
  Bottom w0.2: v2(128.32,98.37) 128.25,98.44 122.72,98.44 v2(118.13,93.85) ; v2(131.73,57.49) 131.73,58.78 132.77,59.82 132.77,60.17 116.37,76.57 116.37,78.34 117.88,79.85 v2(117.88,83.44)
/Sensor Controller/VREF_black: length 502.3
  Top w0.2: U23.76 146.92,89.99 v1(151.53,89.99)
  Bottom w0.2: 77.33,147.02 91.98,150.94 92.66,150.94 ; 77.33,147.02 U25.11 ; 77.33,147.02 77.3,147.01 76.19,146.37 ; 76.19,146.37 U25.9 ; 76.19,146.37 65.89,140.41 ; 53.43,128.68 64.15,139.4 64.71,139.73 ; 53.43,128.68 U22.11 ; 53.43,128.68 53.4,128.66 52.75,127.54 ; 52.75,127.54 U22.9 ; 52.75,127.54 46.8,117.25 ; 41.87,100.83 45.8,115.51 46.14,116.09 ; 41.87,100.83 41.87,99.48 ; 41.87,100.83 U29.11 ; 41.87,99.48 U29.9 ; 41.87,99.48 41.87,87.58 ; 45.8,70.94 45.8,70.95 41.87,85.63 41.87,86.29 ; 45.8,70.94 U31.11 ; 45.8,70.94 46.44,69.84 ; 64.15,47.05 53.41,57.8 53.07,58.39 ; 64.15,47.05 65.3,46.39 ; 64.15,47.05 U33.11 ; 65.3,46.39 U33.9 ; 65.3,46.39 75.61,40.42 ; 91.98,35.52 77.3,39.44 76.71,39.78 ; 91.98,35.52 U35.11 ; 91.98,35.52 91.98,35.52 93.32,35.52 ; 93.32,35.52 U35.9 ; 93.32,35.52 105.2,35.52 ; 121.86,39.44 107.18,35.52 106.52,35.52 ; 121.86,39.44 123.02,40.12 ; 121.86,39.44 U37.11 ; 123.02,40.12 U37.9 ; 123.02,40.12 133.35,46.09 ; 145.73,57.78 135.01,47.05 134.42,46.71 ; 145.73,57.78 U39.11 ; 145.73,57.78 145.76,57.8 146.41,58.93 ; 146.41,58.93 U39.9 ; 146.41,58.93 152.4,69.28 ; 157.29,85.63 153.37,70.95 153.04,70.38 ; 157.29,85.63 157.29,86.9 U41.9 ; 157.29,85.63 U41.11 ; 153.37,115.5 157.29,100.83 157.29,100.15 ; 153.37,115.5 U43.11 ; 153.37,115.5 153.37,115.5 152.71,116.64 ; 152.71,116.64 U43.9 ; 152.71,116.64 146.74,126.96 ; 135.01,139.4 145.76,128.66 146.1,128.07 ; 135.01,139.4 133.85,140.07 ; 135.01,139.4 U45.11 ; 133.85,140.07 U45.9 ; 133.85,140.07 123.53,146.05 ; 107.18,150.94 121.86,147.01 122.42,146.68 ; 107.18,150.94 U47.11 ; 107.18,150.94 105.84,150.94 ; U21.5 64.71,139.73 ; 64.71,139.73 65.89,140.41 ; 105.84,150.94 U47.9 ; 105.84,150.94 93.96,150.94 ; U24.7 93.96,150.94 ; 93.96,150.94 92.66,150.94 ; 92.66,150.94 U24.5 ; 65.89,140.41 U21.7 ; 46.8,117.25 U26.7 ; 46.8,117.25 46.14,116.09 ; 46.14,116.09 U26.5 ; 41.87,87.58 U30.7 ; 41.87,87.58 41.87,86.29 ; 41.87,86.29 U30.5 ; 46.44,69.84 U31.9 ; 46.44,69.84 52.41,59.52 ; 52.41,59.52 U32.7 ; 52.41,59.52 53.07,58.39 ; 53.07,58.39 U32.5 ; 75.61,40.42 U34.7 ; 75.61,40.42 76.71,39.78 ; 76.71,39.78 U34.5 ; 105.2,35.52 U36.7 ; 105.2,35.52 106.52,35.52 ; 106.52,35.52 U36.5 ; 133.35,46.09 U38.7 ; 133.35,46.09 134.42,46.71 ; 134.42,46.71 U38.5 ; 152.4,69.28 U40.7 ; 152.4,69.28 153.04,70.38 ; U40.5 153.04,70.38 ; U42.7 157.29,98.84 ; 157.29,98.84 157.29,100.15 ; 157.29,98.84 157.29,89.99 v1(151.53,89.99) ; 157.29,100.15 U42.5 ; 146.74,126.96 U44.7 ; 146.74,126.96 146.1,128.07 ; 146.1,128.07 U44.5 ; 123.53,146.05 U46.7 ; 123.53,146.05 122.42,146.68 ; 122.42,146.68 U46.5
